# Allegro board 6089-103-RevA_73.brd (continued)
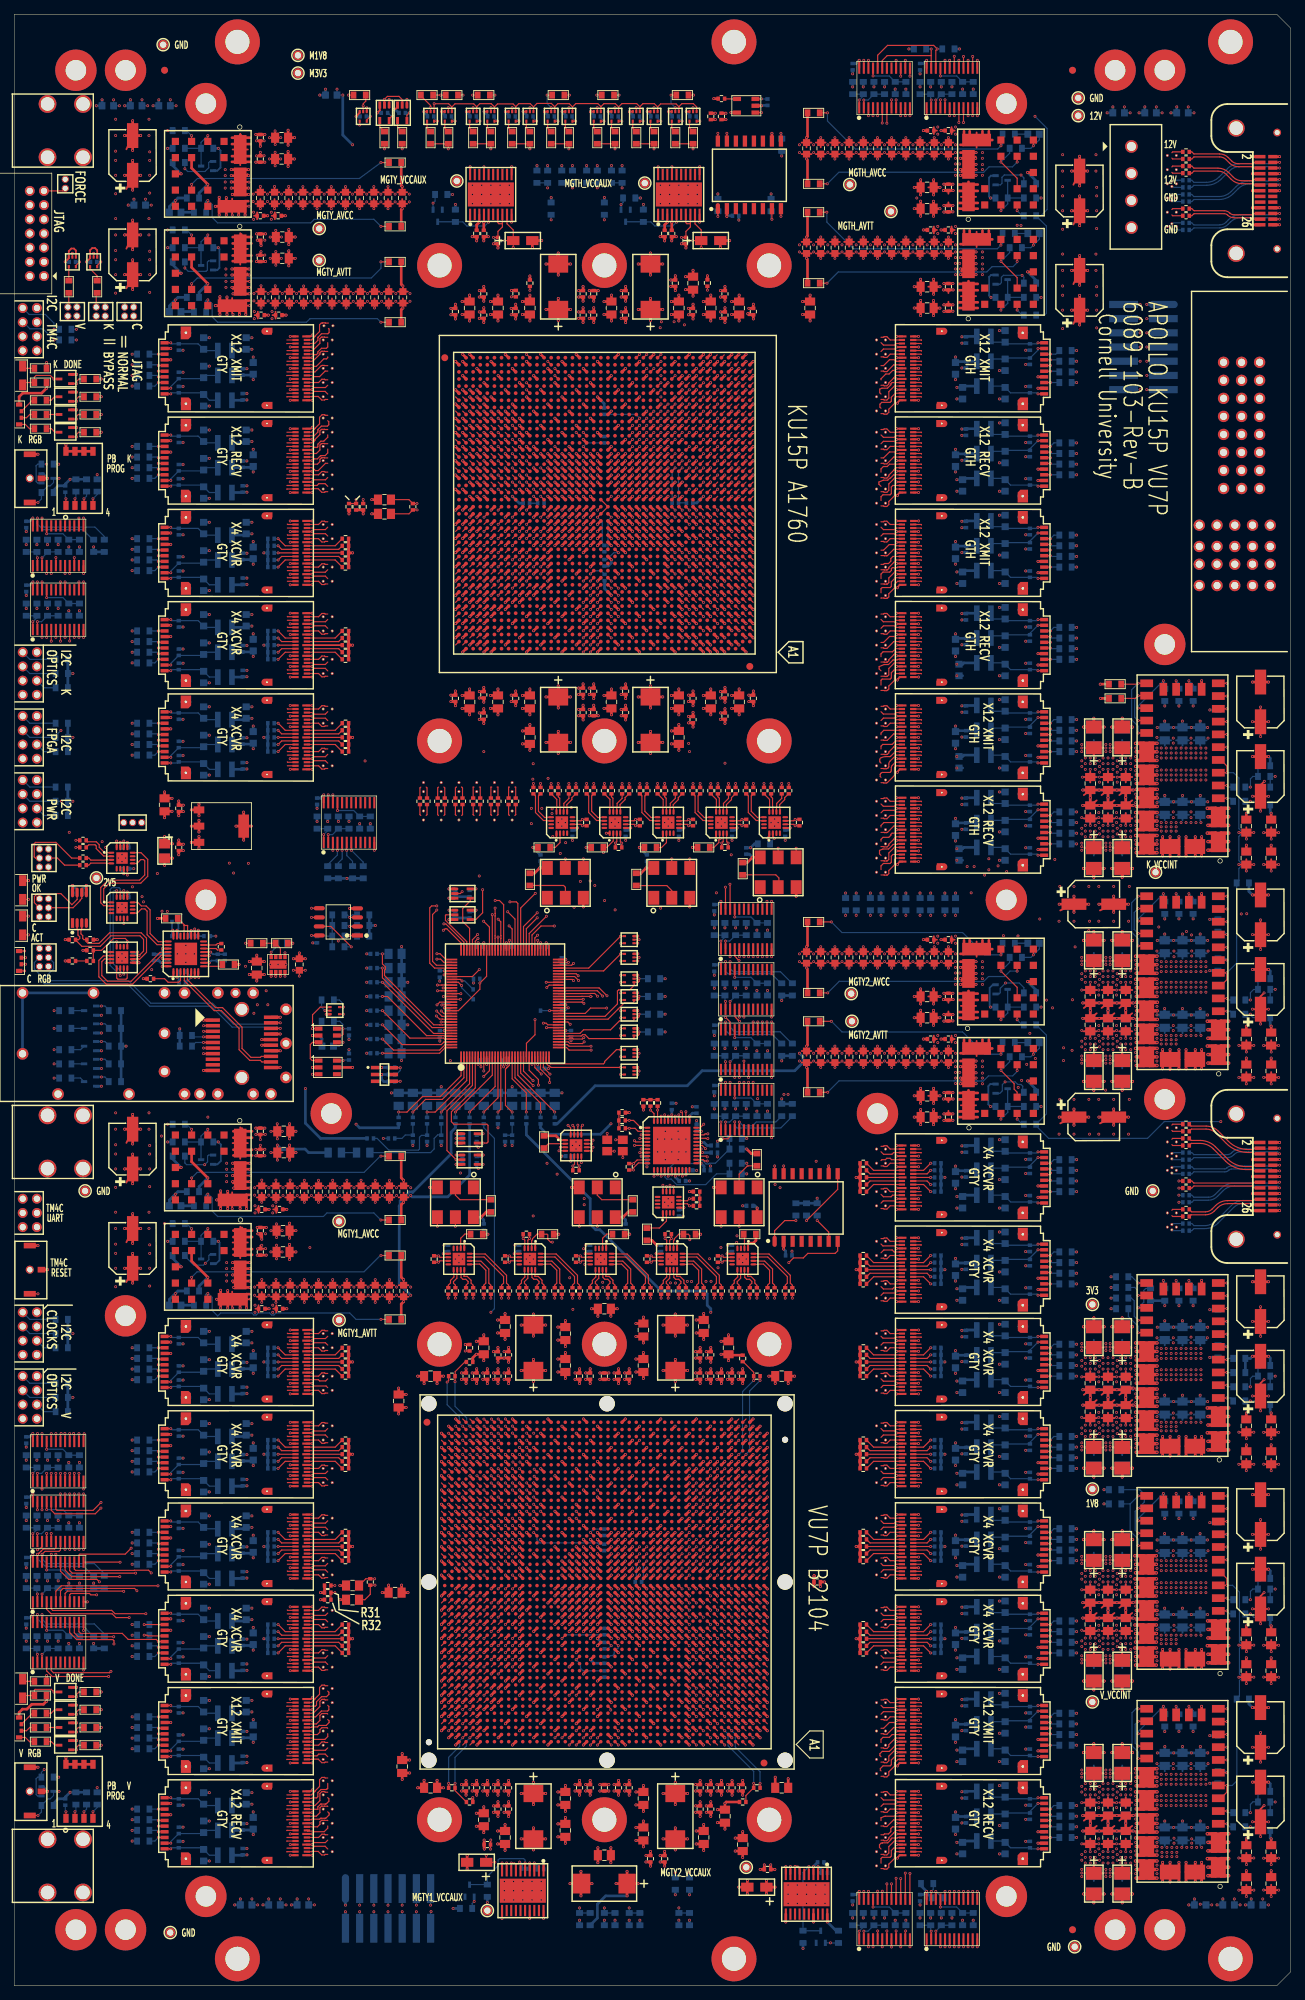
[diagram p0: board, top side]
## Routing (per net, layer and track width the routed paths; a pad name or vN(x,y) marks a point on that pad's centre or on a via; arc(x,y) is an arc through that point) (continued)
NK_FF1_XMIT0: length 44.3
  TOP w0.165: U108.B17 127.85,179.4 127.9,179.35 ; U65.R7 98.17,201.93
  SIG3 w0.083: 127.9,179.35 127.74,179.51 125.01,179.51 arc(124.53,179.61) 124.12,179.88 123.53,180.48 arc(123.31,180.62) 123.05,180.68 122.82,180.68 arc(122.45,180.75) 122.15,180.95 120.88,182.22 arc(120.82,182.24) 120.76,182.22 arc(120.69,182.19) 120.63,182.22 120.52,182.32 arc(120.5,182.39) 120.52,182.45 arc(120.55,182.51) 120.52,182.58 120.42,182.68 arc(120.35,182.71) 120.29,182.68 arc(120.23,182.66) 120.16,182.68 120.06,182.79 arc(120.03,182.85) 120.06,182.92 arc(120.08,182.98) 120.06,183.04 119.95,183.15 arc(119.89,183.18) 119.82,183.15 arc(119.76,183.12) 119.7,183.15 119.59,183.26 arc(119.56,183.32) 119.59,183.38 arc(119.62,183.45) 119.59,183.51 118.41,184.69 arc(117.71,185.74) 117.47,186.97 117.47,188.4 arc(117.29,189.26) 116.8,190 104.78,202.02 arc(104.5,202.21) 104.17,202.27 97.97,202.27 arc(97.94,202.27) 97.91,202.25 97.88,202.22 arc(97.87,202.19) 97.86,202.16 97.86,202.01 97.94,201.93 98.17,201.93
NK_FF1_XMIT1: length 39.8
  TOP w0.165: U108.A17 124.34,179.4 124.14,179.19 122.53,179.19 122.2,179.52 ; U65.P5 100.17,200.93
  SIG1 w0.083: 100.17,200.93 99.86,200.93 99.78,201.01 99.78,201.25 arc(99.78,201.29) 99.8,201.31 99.84,201.35 arc(99.86,201.36) 99.9,201.37 104.43,201.37 arc(105.56,201.15) 106.51,200.51 115.69,191.33 arc(117.1,189.22) 117.6,186.72 117.6,183.76 arc(117.82,182.64) 118.46,181.69 118.74,181.41 arc(118.76,181.37) 118.74,181.33 arc(118.72,181.29) 118.74,181.26 118.9,181.1 arc(118.94,181.08) 118.97,181.1 arc(119.01,181.11) 119.05,181.1 119.21,180.94 arc(119.22,180.9) 119.21,180.87 arc(119.19,180.83) 119.21,180.79 119.36,180.63 arc(119.4,180.62) 119.44,180.63 arc(119.48,180.65) 119.52,180.63 119.67,180.48 arc(119.69,180.44) 119.67,180.4 arc(119.66,180.36) 119.67,180.32 119.83,180.17 arc(119.87,180.15) 119.91,180.17 arc(119.95,180.18) 119.98,180.17 120.15,180 arc(120.4,179.83) 120.7,179.77 120.97,179.77 arc(121.08,179.75) 121.17,179.69 121.2,179.66 arc(121.36,179.56) 121.54,179.52 122.2,179.52
NK_FF1_XMIT2: length 44.6
  TOP w0.165: U108.B14 127.85,177.9 127.9,177.85 ; U65.N7 98.17,199.93
  SIG3 w0.083: 127.9,177.85 127.74,178.01 124.91,178.01 arc(124.52,178.09) 124.19,178.31 123.9,178.6 arc(123.67,178.76) 123.39,178.81 122.1,178.81 arc(121.59,178.91) 121.15,179.2 119.53,180.83 arc(119.48,180.85) 119.44,180.83 arc(119.4,180.81) 119.35,180.83 119.21,180.97 arc(119.19,181.02) 119.21,181.06 arc(119.22,181.1) 119.21,181.15 119.06,181.29 arc(119.02,181.31) 118.97,181.29 arc(118.93,181.28) 118.88,181.29 118.74,181.44 arc(118.72,181.48) 118.74,181.53 arc(118.76,181.57) 118.74,181.62 118.59,181.76 arc(118.55,181.78) 118.51,181.76 arc(118.46,181.74) 118.42,181.76 118.27,181.91 arc(118.25,181.95) 118.27,181.99 arc(118.29,182.04) 118.27,182.08 116.9,183.45 arc(116.21,184.5) 115.96,185.73 115.96,187.63 arc(115.74,188.75) 115.1,189.7 104.79,200.01 arc(104.39,200.28) 103.93,200.37 97.91,200.37 arc(97.86,200.36) 97.83,200.33 arc(97.81,200.28) 97.79,200.24 arc(97.78,200.2) 97.78,200.16 97.78,200.01 97.86,199.93 98.17,199.93
NK_FF1_XMIT3: length 39.8
  TOP w0.165: 122.2,177.52 122.56,177.52 122.64,177.44 123.03,177.44 123.49,177.9 U108.A14 ; U65.M5 100.17,198.93
  SIG1 w0.083: 122.2,177.52 121.52,177.52 arc(121.32,177.56) 121.15,177.67 121.14,177.68 arc(121.04,177.75) 120.92,177.77 120.49,177.77 arc(120.11,177.85) 119.79,178.06 118.98,178.88 arc(118.94,178.89) 118.9,178.88 arc(118.86,178.86) 118.83,178.88 118.67,179.04 arc(118.65,179.07) 118.67,179.11 arc(118.68,179.15) 118.67,179.19 118.51,179.34 arc(118.47,179.36) 118.43,179.34 arc(118.4,179.33) 118.36,179.34 118.2,179.5 arc(118.18,179.54) 118.2,179.58 arc(118.22,179.62) 118.2,179.65 118.04,179.81 arc(118,179.83) 117.97,179.81 117.97,179.81 arc(117.93,179.8) 117.89,179.81 117.73,179.97 arc(117.72,180.01) 117.73,180.04 arc(117.75,180.08) 117.73,180.12 116.98,180.88 arc(116.07,182.23) 115.76,183.83 115.76,187.22 arc(115.41,188.93) 114.44,190.39 114.42,190.41 106.89,197.94 arc(106.41,198.34) 105.86,198.63 104.35,199.26 arc(104.14,199.32) 103.93,199.34 99.9,199.34 arc(99.86,199.33) 99.84,199.32 99.8,199.28 arc(99.78,199.26) 99.78,199.22 99.78,199.01 99.86,198.93 100.17,198.93
NK_FF1_XMIT4: length 44.4
  TOP w0.165: U65.L7 98.17,197.93 ; 127.9,176.35 127.85,176.4 U108.B11
  SIG3 w0.083: 98.17,197.93 97.87,197.93 97.78,198.02 97.78,198.17 arc(97.78,198.2) 97.8,198.23 97.84,198.27 arc(97.86,198.28) 97.9,198.29 104.27,198.29 arc(104.61,198.22) 104.9,198.03 113.7,189.23 arc(114.28,188.35) 114.49,187.32 114.49,185.03 arc(114.7,183.95) 115.31,183.04 117.59,180.77 arc(117.6,180.74) 117.59,180.7 117.58,180.7 arc(117.57,180.67) 117.58,180.63 117.75,180.47 arc(117.78,180.45) 117.82,180.47 arc(117.85,180.48) 117.89,180.47 118.05,180.3 arc(118.07,180.27) 118.05,180.23 arc(118.04,180.2) 118.05,180.17 118.22,180 arc(118.25,179.99) 118.29,180 arc(118.32,180.02) 118.35,180 118.52,179.84 arc(118.53,179.8) 118.52,179.77 arc(118.5,179.73) 118.52,179.7 118.68,179.53 arc(118.72,179.52) 118.75,179.53 arc(118.79,179.55) 118.82,179.53 121.35,177.01 arc(121.56,176.87) 121.81,176.82 122.95,176.82 arc(123.08,176.79) 123.19,176.72 123.22,176.68 arc(123.41,176.56) 123.63,176.51 127.74,176.51 127.9,176.35
NK_FF1_XMIT5: length 40
  TOP w0.165: U108.A11 123.99,176.4 123.07,175.48 122.6,175.48 122.56,175.52 122.2,175.52 ; U65.K5 100.17,196.93
  SIG1 w0.083: 100.17,196.93 99.81,196.93 99.71,197.03 99.71,197.21 arc(99.72,197.24) 99.73,197.27 99.77,197.31 arc(99.8,197.32) 99.83,197.33 103.77,197.33 arc(104.42,197.27) 105.03,197.08 106.01,196.67 arc(106.56,196.38) 107.05,195.98 112.72,190.31 arc(113.65,188.92) 113.98,187.28 113.98,183.82 arc(114.31,182.11) 115.28,180.67 117.08,178.87 arc(117.09,178.83) 117.08,178.79 arc(117.06,178.74) 117.08,178.7 117.22,178.55 arc(117.27,178.54) 117.31,178.55 arc(117.35,178.57) 117.4,178.55 117.54,178.41 arc(117.56,178.36) 117.54,178.32 arc(117.53,178.28) 117.54,178.24 117.69,178.09 arc(117.73,178.07) 117.78,178.09 arc(117.82,178.11) 117.86,178.09 119.86,176.09 arc(120.22,175.85) 120.66,175.76 121,175.76 arc(121.13,175.73) 121.25,175.66 121.28,175.63 arc(121.4,175.55) 121.54,175.52 122.2,175.52
NK_FF1_XMIT6: length 44.4
  TOP w0.165: 127.9,174.87 127.9,174.9 U108.B8 ; U65.J7 98.21,195.89
  SIG3 w0.083: 127.9,174.87 127.89,174.87 127.73,175.03 122.89,175.03 arc(122.83,175.02) 122.78,174.98 122.77,174.97 arc(122.64,174.88) 122.48,174.85 121.91,174.85 arc(121.66,174.9) 121.44,175.05 118.48,178 arc(118.45,178.02) 118.42,178 arc(118.38,177.99) 118.35,178 118.18,178.17 arc(118.17,178.2) 118.18,178.24 arc(118.2,178.27) 118.18,178.3 118.01,178.47 arc(117.98,178.48) 117.95,178.47 117.95,178.47 arc(117.92,178.46) 117.88,178.47 117.72,178.64 arc(117.7,178.67) 117.72,178.7 arc(117.73,178.74) 117.72,178.77 117.55,178.94 arc(117.52,178.95) 117.48,178.94 arc(117.45,178.92) 117.42,178.94 117.25,179.11 arc(117.24,179.14) 117.25,179.17 arc(117.26,179.2) 117.25,179.24 113.59,182.89 arc(113.01,183.77) 112.8,184.81 112.8,186.79 arc(112.52,188.18) 111.73,189.37 105.28,195.82 arc(104.67,196.23) 103.94,196.37 97.94,196.37 arc(97.9,196.36) 97.87,196.34 97.86,196.33 arc(97.82,196.28) 97.81,196.21 97.81,195.98 97.9,195.89 98.21,195.89
NK_FF1_XMIT7: length 40.3
  TOP w0.165: U65.H5 100.17,194.93 ; 122.2,173.52 122.63,173.52 122.66,173.49 123.01,173.49 123.04,173.52 123.11,173.52 123.3,173.71 123.3,173.85 124,174.55 124,174.56 124.23,174.79 124.24,174.79 124.35,174.9 U108.A8
  SIG1 w0.083: 122.2,173.52 121.52,173.52 arc(121.35,173.55) 121.19,173.66 121.15,173.7 arc(121.04,173.78) 120.92,173.8 120.71,173.8 arc(120.19,173.9) 119.76,174.19 117.89,176.06 arc(117.85,176.07) 117.82,176.06 arc(117.78,176.04) 117.74,176.06 117.58,176.22 arc(117.57,176.26) 117.58,176.29 arc(117.6,176.33) 117.58,176.37 117.42,176.53 arc(117.39,176.54) 117.35,176.53 arc(117.31,176.51) 117.28,176.53 117.12,176.69 arc(117.1,176.72) 117.12,176.76 arc(117.13,176.8) 117.12,176.83 116.96,176.99 arc(116.92,177.01) 116.88,176.99 arc(116.85,176.98) 116.81,176.99 116.65,177.15 arc(116.63,177.19) 116.65,177.23 arc(116.67,177.26) 116.65,177.3 113.33,180.62 arc(112.34,182.1) 111.99,183.86 111.99,187.25 arc(111.63,189.04) 110.62,190.57 110.6,190.58 107.05,194.13 arc(106.61,194.49) 106.11,194.76 105.14,195.16 arc(104.74,195.28) 104.32,195.33 99.9,195.33 arc(99.86,195.32) 99.84,195.3 99.8,195.27 arc(99.78,195.24) 99.78,195.21 99.78,195.01 99.86,194.93 100.17,194.93
NK_FF1_XMIT8: length 47.3
  TOP w0.165: U65.H9 96.17,194.93 ; U108.B5 127.85,173.4 127.9,173.35
  SIG3 w0.083: 96.17,194.93 95.88,194.93 95.8,195.01 95.8,195.24 arc(95.81,195.27) 95.82,195.3 95.84,195.31 arc(95.86,195.33) 95.9,195.34 104.08,195.34 arc(104.3,195.29) 104.49,195.17 107.24,192.41 110.31,189.34 110.31,189.28 110.37,189.22 111.15,187.25 111.15,187.25 111.15,184.43 arc(111.36,183.38) 111.95,182.5 116.6,177.84 arc(116.62,177.8) 116.6,177.76 arc(116.58,177.72) 116.6,177.68 116.75,177.53 arc(116.79,177.51) 116.83,177.53 arc(116.87,177.55) 116.91,177.53 117.07,177.38 arc(117.08,177.34) 117.07,177.3 arc(117.05,177.26) 117.07,177.22 117.22,177.06 arc(117.26,177.05) 117.3,177.06 arc(117.34,177.08) 117.38,177.06 117.53,176.91 arc(117.55,176.87) 117.53,176.83 arc(117.52,176.79) 117.53,176.75 117.69,176.6 arc(117.73,176.58) 117.77,176.6 arc(117.81,176.61) 117.85,176.6 121.34,173.1 arc(121.66,172.89) 122.02,172.82 122.56,172.82 arc(122.89,172.89) 123.17,173.07 123.33,173.23 arc(123.59,173.41) 123.9,173.47 127.78,173.47 127.9,173.35
NK_FF1_XMIT9: length 43.8
  TOP w0.165: 122.2,171.52 122.56,171.52 122.59,171.49 122.94,171.49 arc(123.07,171.51) 123.18,171.59 123.25,171.66 arc(123.29,171.71) 123.3,171.78 123.3,172.15 arc(123.34,172.36) 123.46,172.54 124.27,173.35 arc(124.32,173.39) 124.39,173.4 U108.A5 ; U65.G7 98.17,193.93
  SIG1 w0.083: 122.2,171.52 121.47,171.52 arc(121.29,171.56) 121.13,171.66 121.07,171.72 arc(120.99,171.78) 120.89,171.79 120.28,171.79 arc(119.75,171.9) 119.3,172.2 117.87,173.63 arc(117.83,173.64) 117.8,173.63 arc(117.76,173.61) 117.72,173.63 117.56,173.79 arc(117.55,173.82) 117.56,173.86 arc(117.58,173.9) 117.56,173.94 117.41,174.09 arc(117.37,174.11) 117.33,174.09 arc(117.29,174.08) 117.25,174.09 117.1,174.25 arc(117.08,174.29) 117.1,174.33 arc(117.11,174.37) 117.1,174.4 116.94,174.56 arc(116.9,174.58) 116.86,174.56 arc(116.83,174.55) 116.79,174.56 116.63,174.72 arc(116.61,174.76) 116.63,174.79 116.63,174.8 arc(116.65,174.83) 116.63,174.87 112.07,179.43 arc(110.94,181.12) 110.54,183.13 110.54,187.15 arc(110.23,188.73) 109.33,190.07 105.69,193.71 arc(104.98,194.18) 104.15,194.35 97.86,194.35 97.78,194.27 97.78,194.01 97.86,193.93 98.17,193.93
NK_FF1_XMIT10: length 43.8
  TOP w0.165: U65.F5 100.17,192.93 ; 127.9,171.85 127.85,171.9 U108.B2
  SIG3 w0.083: 100.17,192.93 99.86,192.93 99.78,193.01 99.78,193.21 arc(99.83,193.32) 99.94,193.37 104.06,193.37 arc(104.52,193.28) 104.92,193.02 108.89,189.04 arc(109.59,187.99) 109.84,186.75 109.84,183.49 arc(110,182.71) 110.44,182.05 116.21,176.28 arc(116.22,176.25) 116.21,176.21 116.2,176.21 arc(116.19,176.17) 116.2,176.13 116.36,175.97 arc(116.4,175.96) 116.44,175.97 arc(116.48,175.99) 116.52,175.97 116.67,175.82 arc(116.69,175.78) 116.67,175.74 arc(116.66,175.7) 116.67,175.66 116.83,175.51 arc(116.87,175.49) 116.91,175.51 arc(116.94,175.52) 116.98,175.51 117.14,175.35 arc(117.15,175.31) 117.14,175.27 117.14,175.27 arc(117.12,175.23) 117.14,175.19 117.29,175.04 arc(117.33,175.02) 117.37,175.04 arc(117.41,175.06) 117.45,175.04 121.45,171.04 arc(121.67,170.89) 121.94,170.84 122.39,170.84 arc(122.71,170.9) 122.99,171.09 123.72,171.82 arc(123.93,171.96) 124.18,172.01 127.74,172.01 127.9,171.85
NK_FF1_XMIT11: length 46.9
  TOP w0.165: U108.A2 124.39,171.9 arc(124.33,171.89) 124.28,171.85 124.17,171.75 arc(124.12,171.67) 124.1,171.57 124.1,171.22 124.1,170.63 arc(124.08,170.55) 124.04,170.48 123.1,169.54 arc(123.03,169.49) 122.94,169.47 122.6,169.47 122.56,169.52 122.2,169.52 ; U65.F9 96.17,192.93
  SIG1 w0.083: 122.2,169.52 121.53,169.52 arc(121.38,169.55) 121.26,169.63 121.14,169.75 arc(121.1,169.78) 121.06,169.78 120.44,169.78 arc(119.77,169.92) 119.2,170.3 117.3,172.2 arc(117.26,172.22) 117.22,172.2 arc(117.19,172.18) 117.15,172.2 116.99,172.36 arc(116.98,172.4) 116.99,172.43 arc(117.01,172.47) 116.99,172.51 116.83,172.67 arc(116.8,172.68) 116.76,172.67 arc(116.72,172.65) 116.68,172.67 116.52,172.82 arc(116.51,172.86) 116.52,172.9 arc(116.54,172.94) 116.52,172.98 116.37,173.13 arc(116.33,173.15) 116.29,173.13 arc(116.25,173.12) 116.22,173.13 116.06,173.29 arc(116.04,173.33) 116.06,173.37 arc(116.07,173.4) 116.06,173.44 110.45,179.05 arc(109.3,180.77) 108.9,182.79 108.9,187.37 arc(108.64,188.7) 107.88,189.83 104.72,192.99 arc(104.34,193.24) 103.9,193.33 95.9,193.33 arc(95.86,193.32) 95.84,193.31 95.8,193.27 arc(95.78,193.25) 95.78,193.21 95.78,193.01 95.86,192.93 96.17,192.93
NK_FF2_RECV0: length 39.1
  TOP w0.165: U107.A17 124.34,192.4 124.14,192.19 122.52,192.19 122.2,192.52 ; U65.AG3 102.17,214.87
  SIG4 w0.083: 122.2,192.52 121.51,192.52 arc(121.39,192.54) 121.28,192.61 121.18,192.71 arc(121.1,192.77) 120.99,192.79 120.82,192.79 arc(120.57,192.85) 120.36,193.01 arc(120.15,193.38) 120.08,193.81 120.08,194.85 arc(120.07,194.89) 120.03,194.91 arc(119.99,194.92) 119.98,194.96 119.98,195.19 arc(119.99,195.22) 120.03,195.24 arc(120.07,195.25) 120.08,195.29 120.08,195.51 arc(120.07,195.55) 120.03,195.57 arc(119.99,195.58) 119.98,195.62 119.98,195.84 arc(119.99,195.88) 120.03,195.9 arc(120.07,195.91) 120.08,195.95 120.08,196.18 arc(120.07,196.21) 120.03,196.23 arc(119.99,196.24) 119.98,196.28 119.98,196.5 arc(119.99,196.54) 120.03,196.56 arc(120.07,196.57) 120.08,196.61 120.08,199.71 arc(119.8,201.12) 119,202.31 106.6,214.71 arc(105.96,215.14) 105.21,215.29 101.92,215.29 arc(101.82,215.25) 101.78,215.15 101.78,214.96 101.86,214.87 102.17,214.87
NK_FF2_RECV1: length 37.8
  TOP w0.165: U65.AF1 104.17,213.87 ; U107.B17 127.85,192.4 127.9,192.35
  SIG2 w0.083: 127.9,192.35 127.61,192.35 127.49,192.47 126.31,192.47 arc(125.9,192.55) 125.56,192.78 124.95,193.39 arc(123.86,194.12) 122.56,194.38 arc(121.71,194.55) 120.99,195.03 arc(120.09,196.37) 119.78,197.95 119.78,198.86 arc(119.51,200.21) 118.74,201.36 117.69,202.42 arc(117.65,202.43) 117.6,202.42 arc(117.56,202.4) 117.52,202.42 117.37,202.57 arc(117.35,202.61) 117.37,202.65 117.37,202.65 arc(117.39,202.69) 117.37,202.73 117.22,202.88 arc(117.18,202.9) 117.14,202.88 arc(117.1,202.87) 117.06,202.88 116.9,203.04 arc(116.89,203.08) 116.9,203.12 arc(116.92,203.16) 116.9,203.2 116.75,203.35 arc(116.71,203.37) 116.67,203.35 arc(116.63,203.33) 116.59,203.35 116.44,203.5 arc(116.42,203.54) 116.44,203.58 arc(116.45,203.63) 116.44,203.67 106.49,213.61 arc(105.74,214.11) 104.85,214.29 103.9,214.29 arc(103.86,214.28) 103.84,214.27 103.8,214.23 arc(103.78,214.21) 103.78,214.17 103.78,213.96 103.86,213.87 104.17,213.87
NK_FF2_RECV2: length 39.1
  TOP w0.165: U65.AE3 102.17,212.87 ; U107.A14 123.49,190.9 123.03,190.44 122.64,190.44 122.56,190.52 122.2,190.52
  SIG4 w0.083: 102.17,212.87 101.9,212.87 arc(101.82,212.91) 101.78,213 101.78,213.19 arc(101.81,213.28) 101.9,213.32 104.95,213.32 arc(105.61,213.19) 106.16,212.82 118.36,200.61 arc(118.93,199.77) 119.12,198.77 119.12,196.32 arc(119.11,196.28) 119.06,196.26 arc(119.02,196.24) 119,196.2 119,195.99 arc(119.02,195.95) 119.06,195.93 arc(119.11,195.91) 119.12,195.87 119.12,195.66 arc(119.11,195.62) 119.06,195.6 arc(119.02,195.58) 119,195.54 119,195.33 arc(119.02,195.29) 119.06,195.27 arc(119.11,195.25) 119.12,195.21 119.12,195 arc(119.11,194.96) 119.06,194.94 arc(119.02,194.92) 119,194.88 119,194.67 arc(119.02,194.63) 119.06,194.61 arc(119.11,194.59) 119.12,194.55 119.12,192.83 arc(119.27,192.09) 119.69,191.46 120.13,191.02 arc(120.41,190.84) 120.74,190.77 120.95,190.77 arc(121.04,190.75) 121.12,190.7 121.23,190.59 arc(121.31,190.54) 121.41,190.52 122.2,190.52
NK_FF2_RECV3: length 38.4
  TOP w0.165: U107.B14 127.85,190.9 127.9,190.85 ; U65.AD1 104.17,211.87
  SIG2 w0.083: 127.9,190.85 127.43,190.85 127.28,191.01 124.89,191.01 arc(124.53,191.08) 124.22,191.28 123.91,191.6 arc(123.65,191.77) 123.35,191.83 121.74,191.83 arc(121.29,191.92) 120.92,192.17 120.35,192.73 arc(119.86,193.34) 119.49,194.03 118.88,195.55 arc(118.58,196.56) 118.48,197.61 118.48,198.44 arc(118.2,199.86) 117.39,201.07 116.6,201.87 arc(116.55,201.88) 116.51,201.87 arc(116.47,201.85) 116.42,201.87 116.28,202.01 arc(116.26,202.06) 116.28,202.1 arc(116.29,202.14) 116.28,202.19 116.13,202.33 arc(116.09,202.35) 116.04,202.33 arc(116,202.31) 115.96,202.33 115.81,202.48 arc(115.79,202.52) 115.81,202.57 arc(115.83,202.61) 115.81,202.65 115.66,202.8 arc(115.62,202.82) 115.58,202.8 arc(115.53,202.78) 115.49,202.8 115.34,202.95 arc(115.32,202.99) 115.34,203.03 arc(115.36,203.08) 115.34,203.12 106.85,211.62 arc(106.07,212.14) 105.15,212.32 103.9,212.32 arc(103.86,212.31) 103.84,212.29 103.8,212.26 arc(103.78,212.23) 103.78,212.2 103.78,211.96 103.86,211.87 104.17,211.87
NK_FF2_RECV4: length 38.7
  TOP w0.165: 122.2,188.52 122.56,188.52 122.64,188.44 123.03,188.44 123.99,189.4 U107.A11 ; U65.AC3 102.17,210.87
  SIG4 w0.083: 102.17,210.87 101.86,210.87 101.78,210.96 101.78,211.16 arc(101.82,211.27) 101.93,211.32 104.67,211.32 arc(105.2,211.21) 105.64,210.92 117.13,199.42 arc(117.67,198.61) 117.86,197.65 117.86,196.49 arc(117.85,196.45) 117.81,196.43 arc(117.77,196.42) 117.75,196.38 117.75,196.16 arc(117.77,196.12) 117.81,196.1 arc(117.85,196.09) 117.86,196.05 117.86,195.83 arc(117.85,195.79) 117.81,195.77 arc(117.77,195.76) 117.75,195.72 117.75,195.5 arc(117.77,195.46) 117.81,195.44 arc(117.85,195.43) 117.86,195.39 117.86,195.17 arc(117.85,195.13) 117.81,195.11 arc(117.77,195.1) 117.75,195.06 117.75,194.84 arc(117.77,194.8) 117.81,194.78 arc(117.85,194.77) 117.86,194.73 117.86,193.58 arc(118.2,191.88) 119.17,190.43 120.71,188.89 arc(120.81,188.82) 120.93,188.79 arc(121.05,188.77) 121.15,188.7 121.24,188.61 arc(121.34,188.54) 121.46,188.52 122.2,188.52
NK_FF2_RECV5: length 38.5
  TOP w0.165: 127.9,189.35 127.85,189.4 U107.B11 ; U65.AB1 104.17,209.87
  SIG2 w0.083: 127.9,189.35 127.76,189.49 125.34,189.49 arc(125.23,189.51) 125.13,189.58 124.98,189.73 arc(124.93,189.76) 124.87,189.77 121.86,189.77 arc(121.43,189.86) 121.07,190.1 120.57,190.6 arc(120.53,190.62) 120.49,190.6 arc(120.44,190.58) 120.4,190.6 120.25,190.75 arc(120.23,190.79) 120.25,190.83 arc(120.27,190.88) 120.25,190.92 120.1,191.07 arc(120.06,191.08) 120.02,191.07 120.02,191.07 arc(119.98,191.05) 119.93,191.07 119.79,191.22 arc(119.77,191.26) 119.79,191.3 arc(119.8,191.34) 119.79,191.38 119.64,191.53 arc(119.59,191.55) 119.55,191.53 arc(119.51,191.52) 119.47,191.53 119.32,191.68 arc(119.3,191.72) 119.32,191.77 arc(119.34,191.81) 119.32,191.85 118.7,192.47 arc(118.38,192.86) 118.14,193.32 117.72,194.38 arc(117.37,195.55) 117.25,196.77 117.25,197.98 arc(116.95,199.51) 116.08,200.8 111.61,205.28 107.14,209.75 arc(106.51,210.17) 105.77,210.32 103.9,210.32 arc(103.86,210.31) 103.84,210.29 103.81,210.27 arc(103.79,210.23) 103.78,210.19 103.78,209.96 103.86,209.87 104.17,209.87
NK_FF2_RECV6: length 37.6
  TOP w0.165: U65.AA3 102.17,207.93 ; 122.2,186.52 122.63,186.52 122.66,186.49 123.01,186.49 123.04,186.52 123.11,186.52 123.3,186.71 123.3,186.85 124,187.55 124,187.56 124.23,187.79 124.24,187.79 124.35,187.9 U107.A8
  SIG4 w0.083: 102.17,207.93 101.86,207.93 101.78,208.01 101.78,208.22 arc(101.82,208.32) 101.92,208.36 104.03,208.36 arc(104.21,208.32) 104.37,208.22 115.71,196.88 arc(116.36,195.9) 116.59,194.75 116.59,192.86 arc(116.99,190.8) 118.12,189.02 118.12,189.02 118.5,188.65 arc(118.51,188.61) 118.5,188.58 arc(118.48,188.54) 118.5,188.51 118.66,188.34 arc(118.7,188.33) 118.73,188.34 arc(118.77,188.36) 118.8,188.34 118.96,188.18 arc(118.98,188.15) 118.96,188.11 arc(118.95,188.08) 118.96,188.04 119.13,187.88 arc(119.16,187.86) 119.2,187.88 arc(119.23,187.89) 119.27,187.88 119.43,187.71 arc(119.45,187.68) 119.43,187.64 arc(119.42,187.61) 119.43,187.57 119.6,187.41 arc(119.63,187.4) 119.66,187.41 arc(119.7,187.43) 119.73,187.41 120.16,186.98 arc(120.33,186.87) 120.52,186.83 120.97,186.83 arc(121.07,186.81) 121.16,186.75 121.27,186.64 arc(121.4,186.55) 121.56,186.52 122.2,186.52
NK_FF2_RECV7: length 36.5
  TOP w0.165: U107.B8 127.85,187.9 127.9,187.85 ; U65.Y1 104.17,206.93
  SIG2 w0.083: 127.9,187.85 127.61,187.85 127.45,188.01 125.85,188.01 arc(125.79,188) 125.75,187.97 125.73,187.96 arc(125.6,187.87) 125.45,187.84 121.78,187.84 arc(121.37,187.92) 121.01,188.16 120.06,189.12 arc(120.02,189.13) 119.98,189.12 arc(119.95,189.1) 119.91,189.12 119.75,189.27 arc(119.73,189.31) 119.75,189.35 arc(119.77,189.39) 119.75,189.42 119.59,189.58 arc(119.55,189.6) 119.52,189.58 arc(119.48,189.57) 119.44,189.58 119.28,189.74 arc(119.27,189.78) 119.28,189.82 arc(119.3,189.85) 119.28,189.89 119.12,190.05 arc(119.09,190.06) 119.05,190.05 arc(119.01,190.03) 118.98,190.05 118.82,190.21 arc(118.8,190.25) 118.82,190.28 arc(118.83,190.32) 118.82,190.36 116.75,192.42 arc(116.17,193.29) 115.97,194.32 115.97,194.8 arc(115.77,195.77) 115.23,196.58 104.54,207.27 arc(104.48,207.31) 104.42,207.32 103.9,207.32 arc(103.86,207.32) 103.84,207.3 103.8,207.26 arc(103.78,207.24) 103.78,207.2 103.78,207.01 103.86,206.93 104.17,206.93
NK_FF2_RECV8: length 38
  TOP w0.165: U107.A5 124.08,186.4 123.3,185.62 123.3,184.71 123.11,184.52 123.04,184.52 123.01,184.49 122.66,184.49 122.63,184.52 122.2,184.52 ; U65.W3 102.17,205.93
  SIG4 w0.083: 122.2,184.52 121.46,184.52 arc(121.37,184.54) 121.29,184.59 121.17,184.71 arc(121.11,184.75) 121.05,184.76 120.88,184.76 arc(120.77,184.78) 120.68,184.84 119.17,186.36 arc(119.13,186.38) 119.09,186.36 arc(119.05,186.34) 119.01,186.36 118.85,186.51 arc(118.84,186.55) 118.85,186.59 arc(118.87,186.63) 118.85,186.67 118.7,186.83 arc(118.66,186.84) 118.62,186.83 arc(118.58,186.81) 118.54,186.83 118.39,186.98 arc(118.37,187.02) 118.39,187.06 arc(118.4,187.1) 118.39,187.14 118.23,187.29 arc(118.19,187.31) 118.15,187.29 arc(118.11,187.28) 118.07,187.29 117.92,187.44 arc(117.9,187.49) 117.92,187.53 117.92,187.53 arc(117.94,187.57) 117.92,187.61 117.03,188.49 arc(115.78,190.37) 115.34,192.58 115.34,193.56 arc(115.01,195.23) 114.06,196.65 104.55,206.16 arc(104.42,206.25) 104.27,206.28 101.9,206.28 arc(101.87,206.27) 101.85,206.25 101.8,206.21 arc(101.78,206.18) 101.78,206.15 101.78,206.01 101.86,205.93 102.17,205.93
NK_FF2_RECV9: length 36.7
  TOP w0.165: U107.B5 127.85,186.4 127.9,186.35 ; U65.V1 104.17,204.93
  SIG2 w0.083: 104.17,204.93 103.86,204.93 103.78,205.01 103.78,205.25 arc(103.78,205.29) 103.8,205.31 103.84,205.35 arc(103.86,205.36) 103.9,205.37 104.34,205.37 arc(104.47,205.34) 104.59,205.27 113.51,196.34 arc(114.02,195.73) 114.39,195.03 114.4,195 arc(114.62,194.34) 114.72,193.66 arc(115.02,192.51) 115.7,191.54 118.6,188.64 arc(118.62,188.6) 118.6,188.55 arc(118.58,188.51) 118.6,188.47 118.74,188.32 arc(118.79,188.3) 118.83,188.32 arc(118.88,188.34) 118.92,188.32 119.07,188.17 arc(119.08,188.13) 119.07,188.09 arc(119.05,188.04) 119.07,188 119.21,187.85 arc(119.26,187.84) 119.3,187.85 arc(119.34,187.87) 119.39,187.85 119.53,187.71 arc(119.55,187.66) 119.53,187.62 arc(119.51,187.58) 119.53,187.53 119.68,187.39 arc(119.72,187.37) 119.77,187.39 arc(119.81,187.41) 119.85,187.39 121.08,186.16 arc(121.48,185.89) 121.96,185.8 123.12,185.8 arc(123.5,185.87) 123.82,186.09 124.02,186.28 arc(124.27,186.45) 124.57,186.51 127.45,186.51 127.61,186.35 127.9,186.35
NK_FF2_RECV10: length 38.5
  TOP w0.165: 122.2,182.52 122.63,182.52 122.66,182.49 123.01,182.49 123.07,182.55 123.13,182.55 123.3,182.72 123.3,183.15 124.1,183.95 124.1,184.22 124.1,184.68 124.32,184.9 U107.A2 ; U65.U3 102.17,203.93
  SIG4 w0.083: 102.17,203.93 101.86,203.93 101.78,204.01 101.78,204.17 arc(101.82,204.27) 101.93,204.32 104.27,204.32 arc(104.56,204.26) 104.8,204.1 112.86,196.04 arc(113.76,194.69) 114.08,193.1 114.08,191.38 arc(114.44,189.59) 115.45,188.08 117.11,186.42 arc(117.12,186.38) 117.11,186.34 arc(117.09,186.3) 117.11,186.25 117.26,186.1 arc(117.3,186.09) 117.34,186.1 117.34,186.1 arc(117.38,186.12) 117.42,186.1 117.57,185.95 arc(117.59,185.91) 117.57,185.87 arc(117.56,185.83) 117.57,185.79 117.73,185.64 arc(117.77,185.62) 117.81,185.64 arc(117.85,185.65) 117.89,185.64 118.04,185.48 arc(118.06,185.44) 118.04,185.4 arc(118.02,185.36) 118.04,185.32 118.19,185.17 arc(118.23,185.15) 118.27,185.17 arc(118.31,185.19) 118.36,185.17 120.67,182.86 arc(120.77,182.79) 120.9,182.76 121.08,182.76 arc(121.15,182.75) 121.22,182.7 121.32,182.6 arc(121.41,182.54) 121.52,182.52 122.2,182.52
NK_FF2_RECV11: length 36.7
  TOP w0.165: 127.9,184.85 127.85,184.9 U107.B2 ; U65.T1 104.17,202.93
  SIG2 w0.083: 104.17,202.93 103.86,202.93 103.78,203.01 103.78,203.25 arc(103.78,203.29) 103.8,203.31 103.84,203.35 arc(103.86,203.36) 103.9,203.37 104.36,203.37 arc(104.51,203.34) 104.63,203.26 112.13,195.76 arc(112.59,195.2) 112.93,194.56 113.38,193.49 arc(113.42,193.38) 113.44,193.27 arc(113.47,193.1) 113.49,192.93 arc(113.78,191.8) 114.45,190.85 117.88,187.41 arc(117.9,187.38) 117.88,187.34 arc(117.87,187.31) 117.88,187.27 118.05,187.11 arc(118.08,187.1) 118.12,187.11 arc(118.15,187.13) 118.19,187.11 118.35,186.95 arc(118.37,186.91) 118.35,186.88 arc(118.34,186.84) 118.35,186.81 118.51,186.64 arc(118.55,186.63) 118.58,186.64 arc(118.62,186.66) 118.65,186.64 118.82,186.48 arc(118.83,186.45) 118.82,186.41 arc(118.8,186.38) 118.82,186.34 118.98,186.18 arc(119.02,186.16) 119.05,186.18 arc(119.09,186.19) 119.12,186.18 121.11,184.19 arc(121.51,183.92) 121.98,183.83 123.03,183.83 arc(123.41,183.91) 123.74,184.13 124.39,184.77 arc(124.65,184.95) 124.97,185.01 127.45,185.01 127.61,184.85 127.9,184.85